# Altium PCB base-32-bit.PcbDoc (part 1 of 3)
Units mil, origin at the board's own origin, x right, y up, seen from the top; angles counter-clockwise.
Board outline 1400 x 1750 mil, 6 copper layers (TOP01, GND02, SIG03, SIG04, PWR05, BOTT06), stack 52.421 mil thick; 71 components, 133 nets, 544 pads, 405 vias.
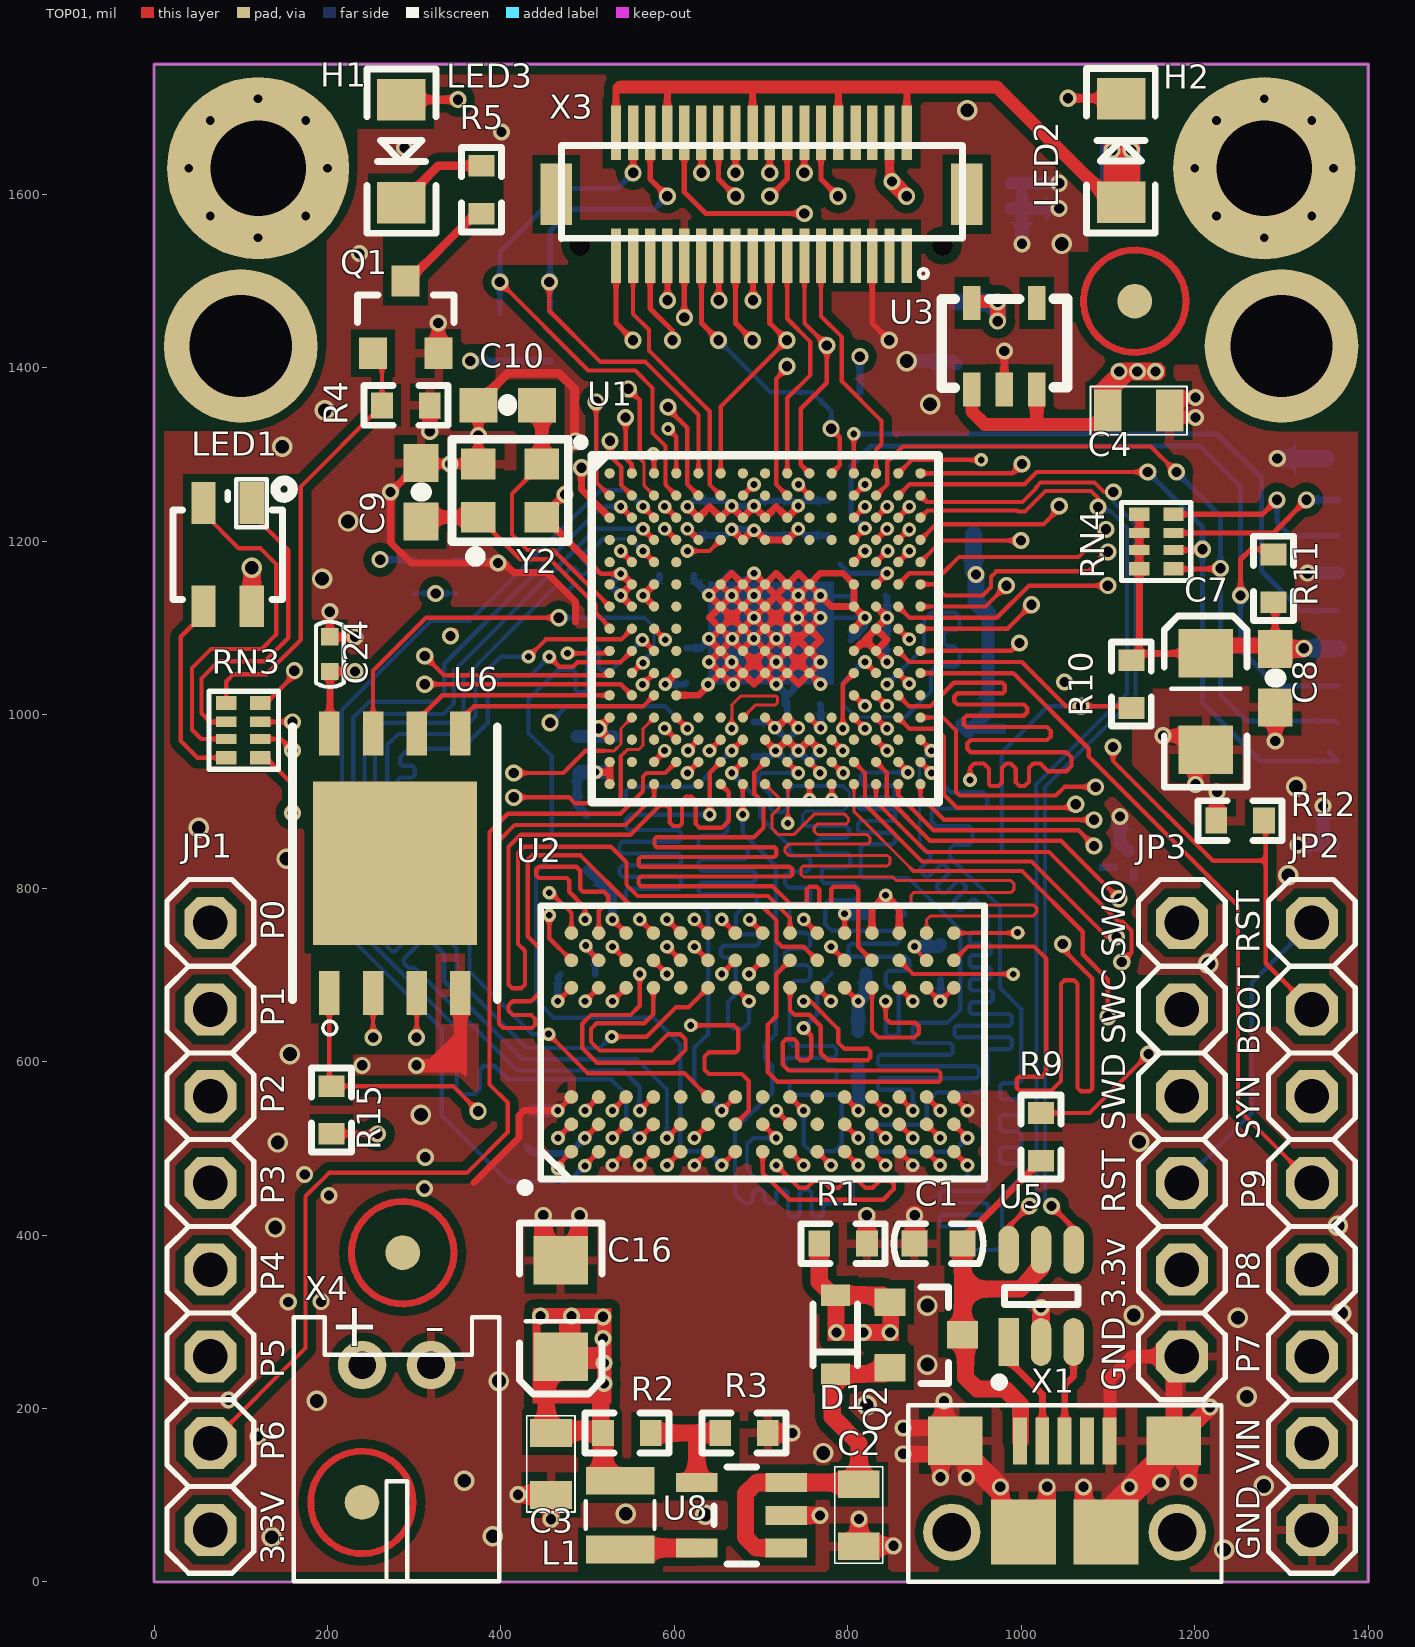
[diagram p0: TOP01 view]
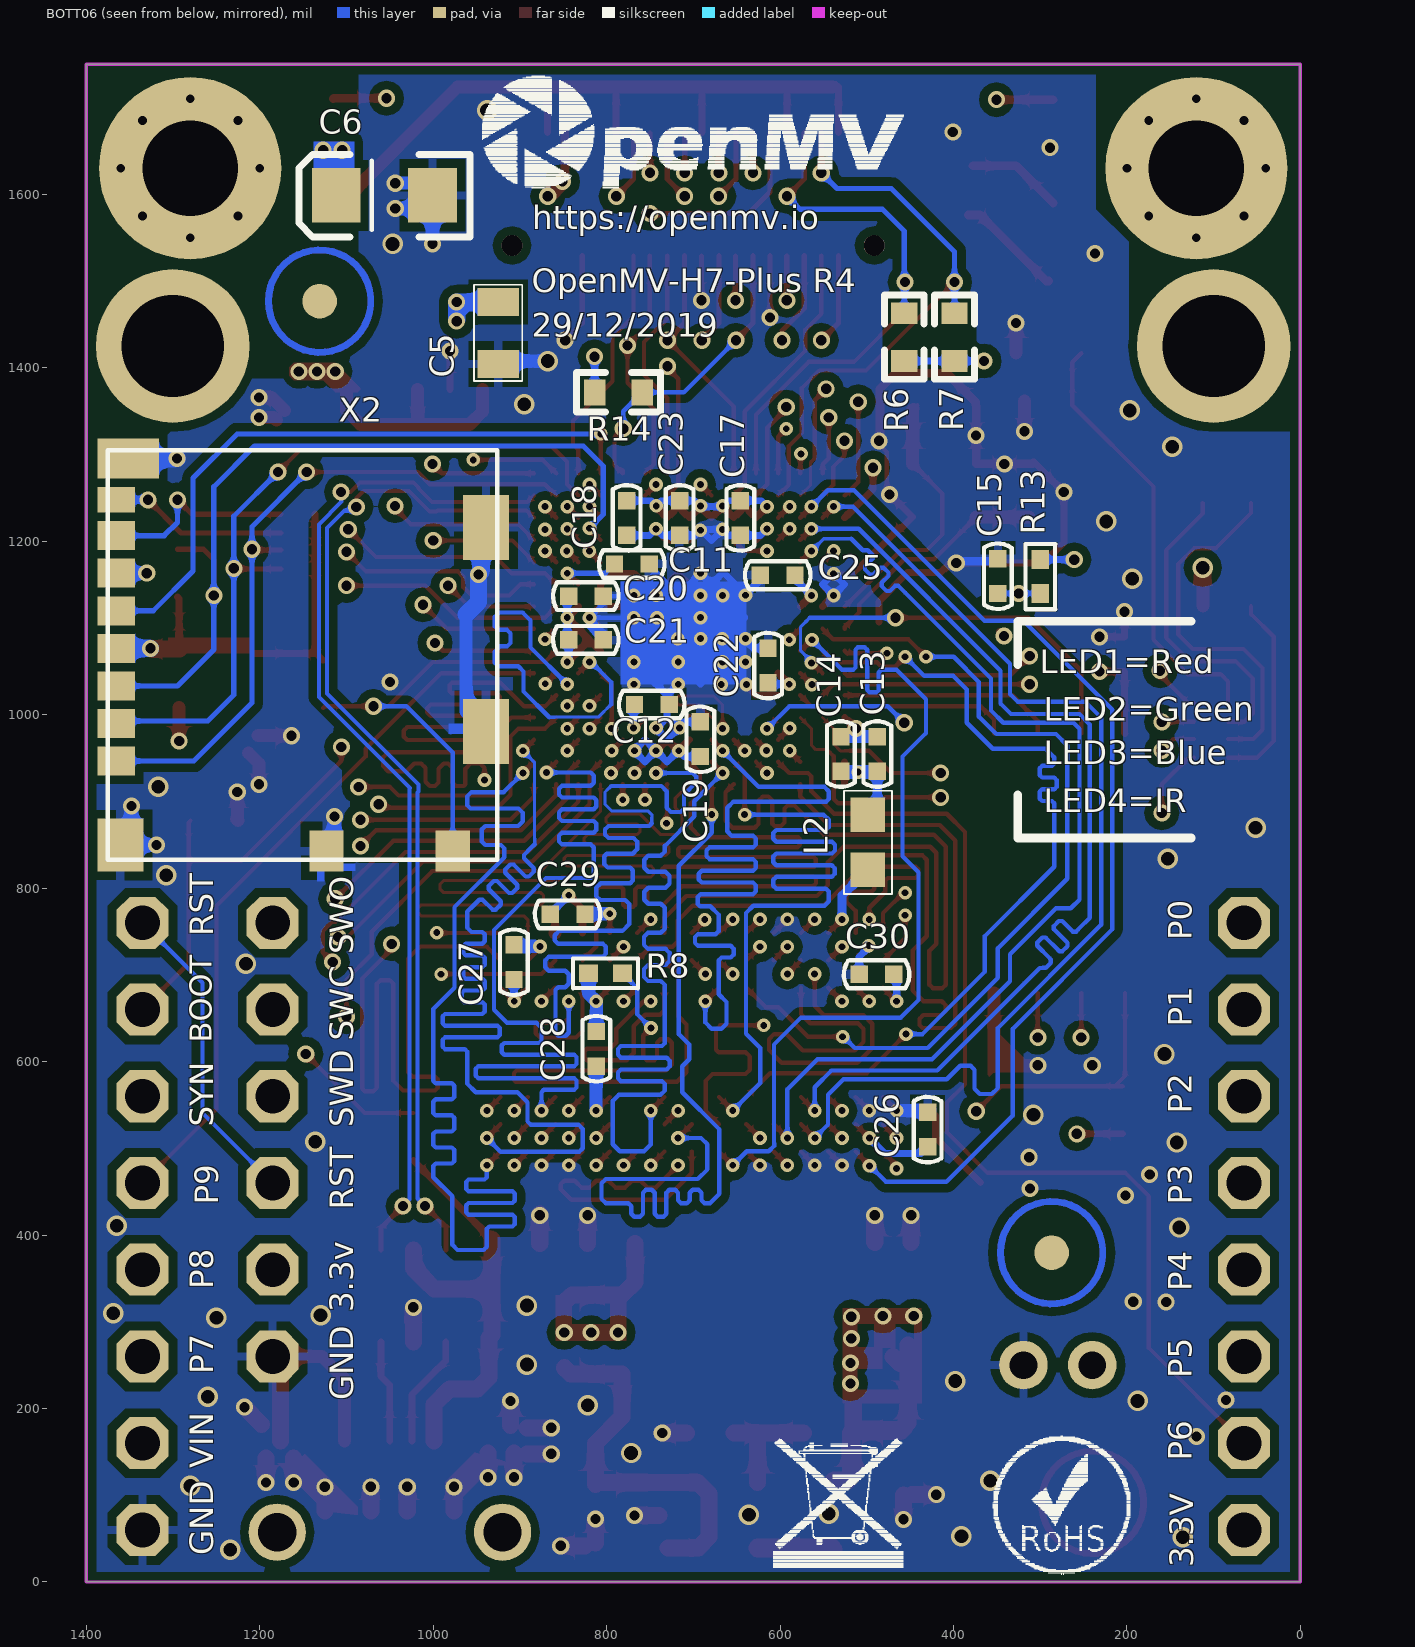
[diagram p1: BOTT06 view, seen from below]
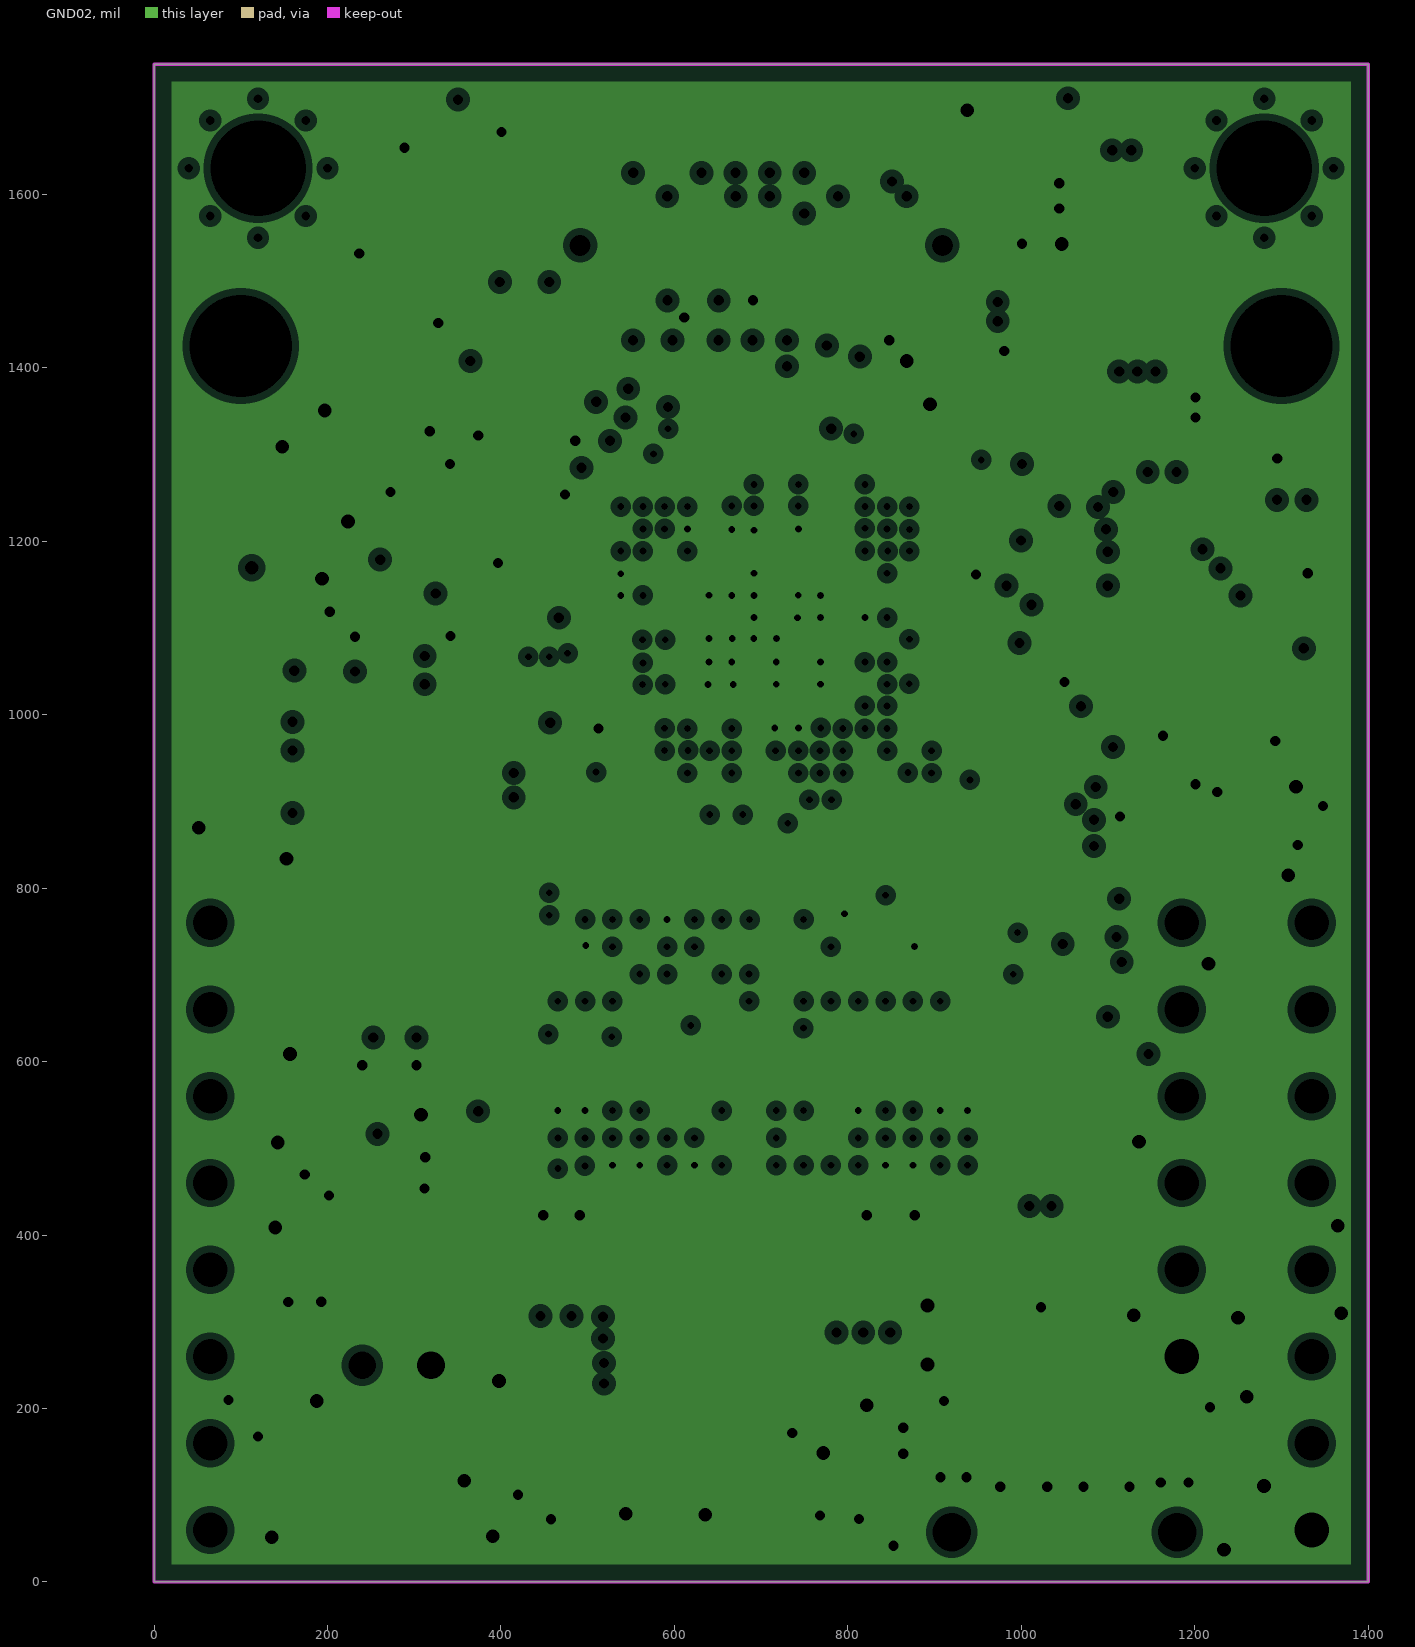
[diagram p2: GND02, clearances drawn from the general rule]
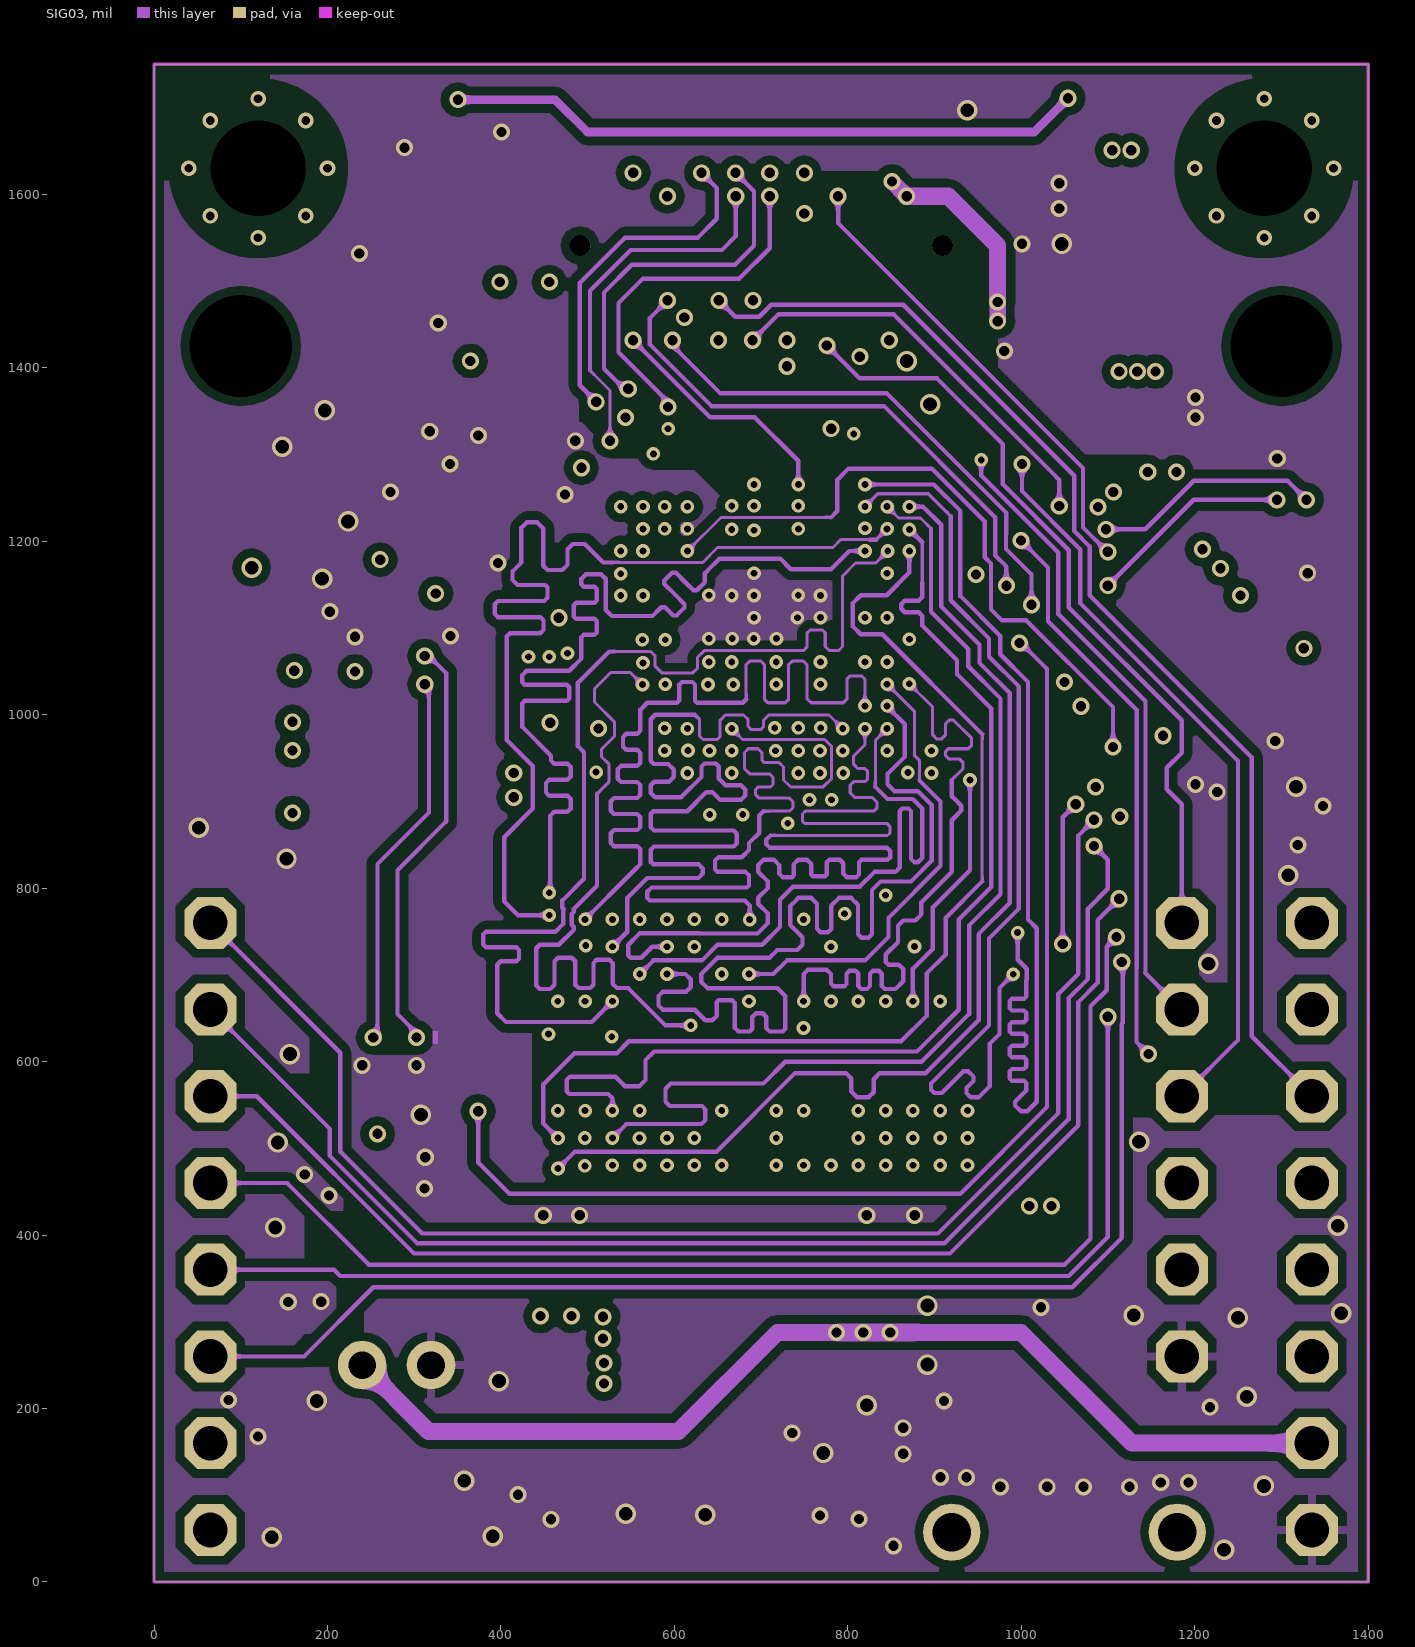
[diagram p3: SIG03]
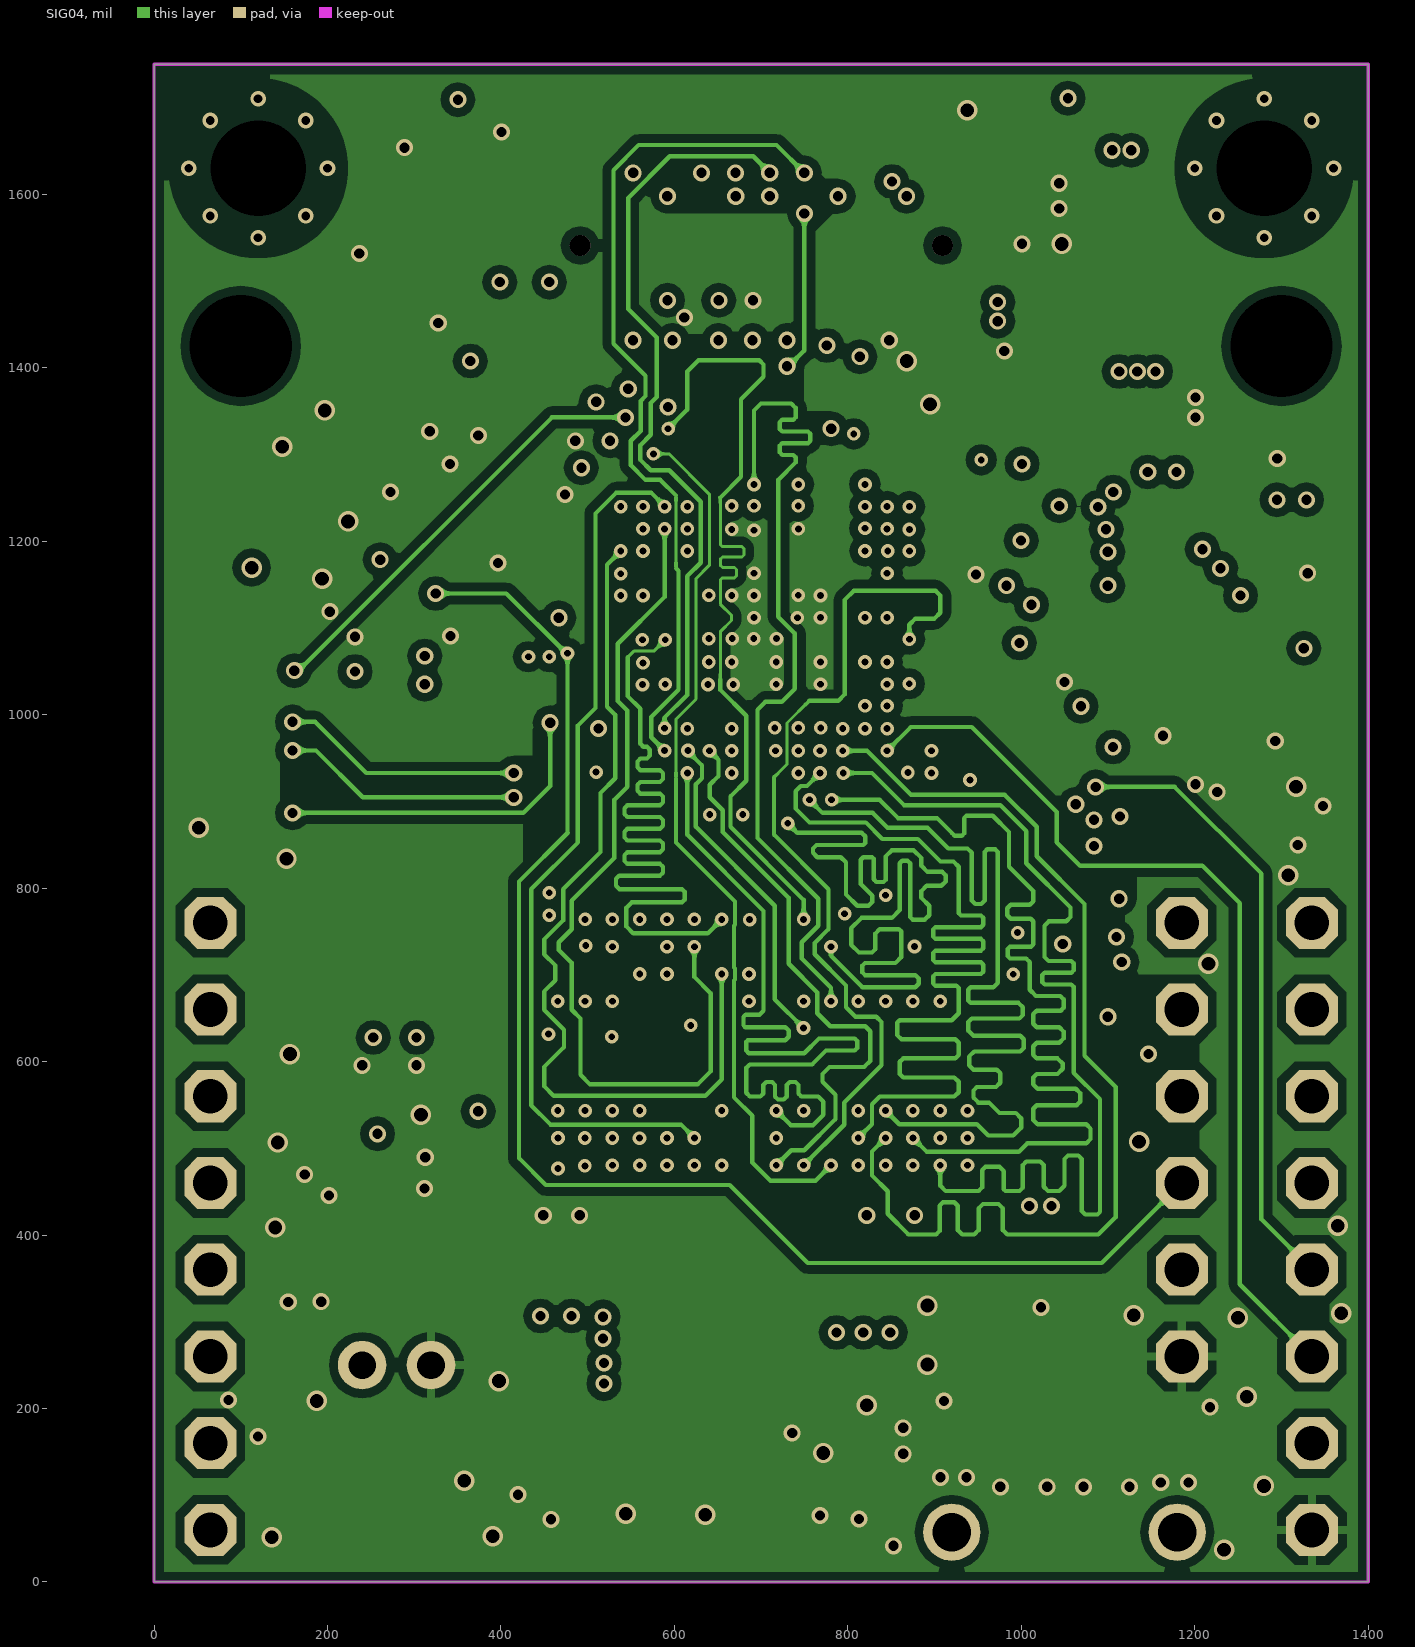
[diagram p4: SIG04]
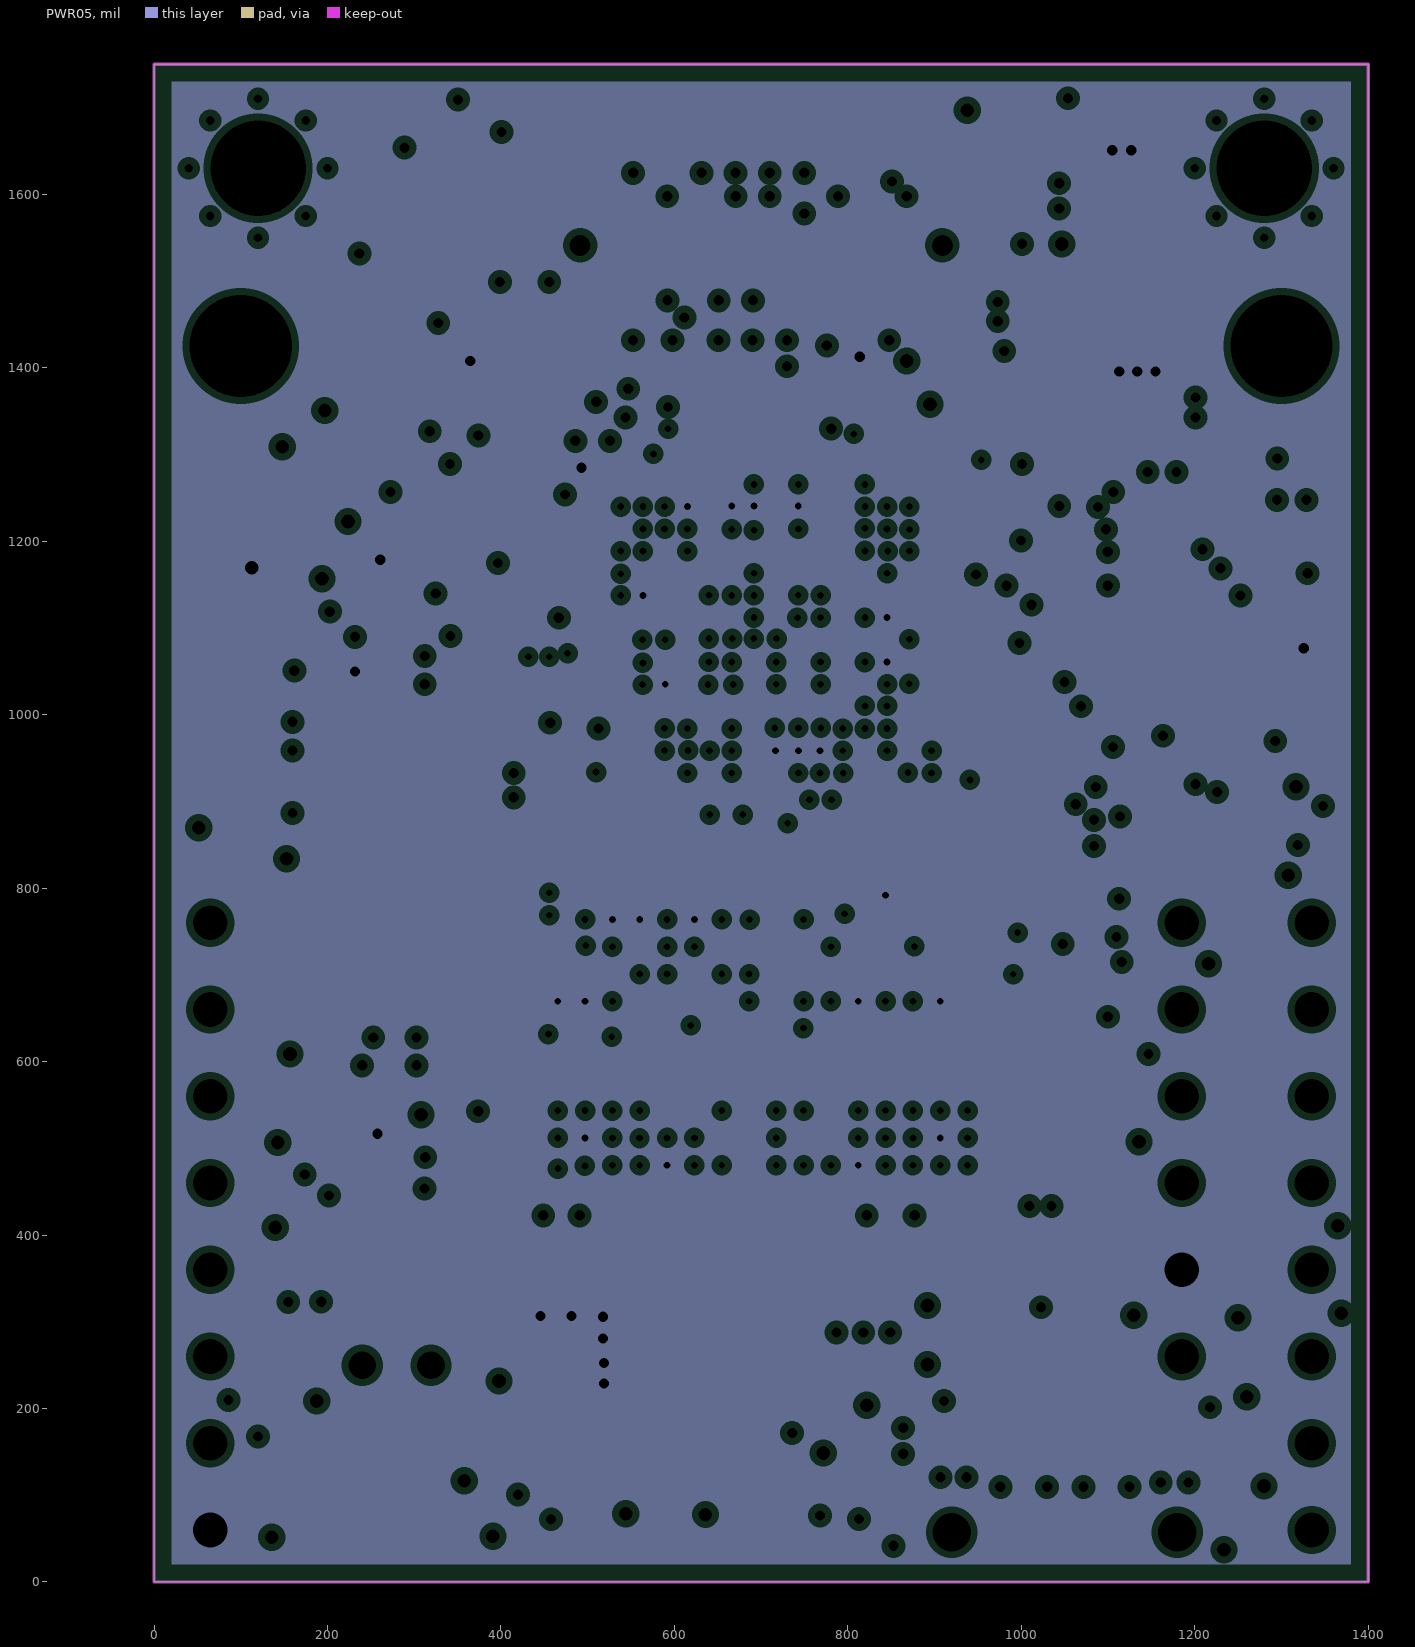
[diagram p5: PWR05, clearances drawn from the general rule]
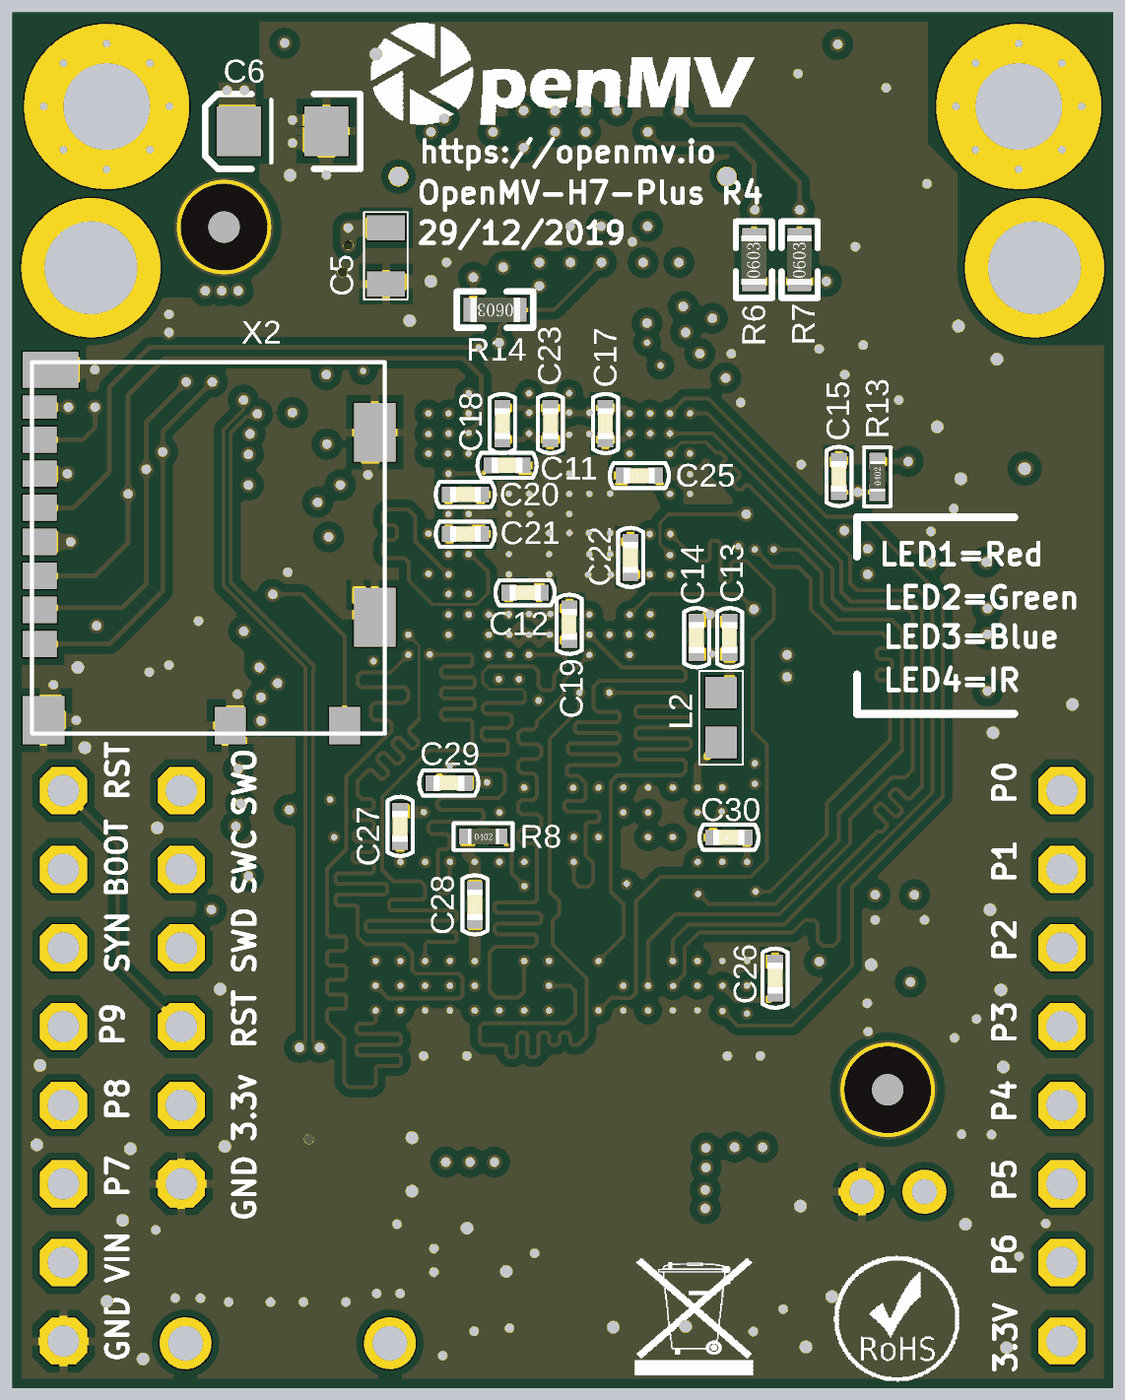
[diagram p8: 3D render of the assembled board from below, using the file's embedded part models]

## Layer stack, top to bottom
Top Solder: solder mask 0.4, Solder Resist, Dk 3.5
TOP01: signal copper 1.378
Dielectric 1: core 3.937, FR-4, Dk 4.05
GND02: plane copper 0.689, net GND
Dielectric 3: prepreg 22.2441, Dk 4.6
SIG03: signal copper 0.689
Dielectric 2: core 5, Dk 4.25
SIG04: signal copper 1.4173
Dielectric 4: core 10, Dk 4.2
PWR05: plane copper 0.689, net VCC
Dielectric 5: prepreg 5, Dk 4.2
BOTT06: signal copper 1.378
Bottom Solder: solder mask 0.4, Solder Resist, Dk 3.5

## Board outline
0,1750 0,0 1400,0 1400,1750

## Design rules (kind name [scope] priority, off if disabled: settings)
BoardOutlineClearance mdCopperDimension [All] p1: gap=10 except(0: Arc-SplitContinuation Track-SplitContinuation SMDPad-SplitContinuation THPad-SplitContinuation Via-SplitContinuation Fill-SplitContinuation Poly-SplitContinuation Region-SplitContinuation Text-SplitContinuation; 5: Poly-OutlineEdge Poly-CutoutEdge Poly-CavityEdge Poly-SplitBarrior)
Clearance [All] p1: gap=3.5 except(9.84: Arc-Poly Track-Poly SMDPad-Poly THPad-Poly Via-Poly Fill-Poly Poly-Poly Poly-Region)
HoleSize [All] p1: absolutevalues=TRUE maxlimit=100000 minlimit=10 maxpercent=80.000 minpercent=20.000
HoleToHoleClearance mdDrill [All] p1: gap=10 allowstackedmicrovias=TRUE
MinimumSolderMaskSliver [All] p1 off: minsoldermaskwidth=10
PasteMaskExpansion Expansion_SMDPaste_OFF [InPadClass('SMDPaste_OFF')] p1: expansion=0
PasteMaskExpansion mlMinCreamFrame [All] p2: expansion=0
PlaneClearance [All] p1: clearance=7.87
PlaneConnect [All] p1: planeconnectstyle=Direct reliefexpansion=20 reliefentries=4 reliefconductorwidth=10 reliefairgap=10
PolygonConnect ThermalVias [IsVia] p1: connectstyle=Direct reliefconductorwidth=10 reliefentries=4 polygonreliefangle="90 Angle" airgapwidth=10
PolygonConnect [All] p2: connectstyle=Relief reliefconductorwidth=10 reliefentries=4 polygonreliefangle="90 Angle" airgapwidth=10
RoutingVias [All] p1: holewidth=7.87 width=15.75 viastyle="Through Hole" minholewidth=7.87 minwidth=15.75 maxholewidth=118.11 maxwidth=196.85
SolderMaskExpansion Expansion_SMDSolder_OFF [InPadClass('SMDSolder_OFF')] p1: expansion=0
SolderMaskExpansion mlMinStopFrame [All] p2: expansion=2
Width [All] p1: maxlimit=10000 minlimit=3.5 preferedwidth=5
24 further rules are at their usual default settings.

## Classes and differential pairs
pad class SMDPaste_OFF: X3-1 X3-2 X3-3 X3-4 X3-5 X3-6 X3-7 X3-8 X3-9 X3-10 X3-11 X3-12 X3-13 X3-14 X3-15 X3-16 X3-17 X3-18 X3-19 X3-20 X3-21 X3-22 X3-23 X3-24 X3-25 X3-26 X3-27 X3-28 X3-29 X3-30 X3-31 X3-32 X3-33 X3-34 X3-35 X3-36
net class SDRAM_ADD&CMD: DRAM_A0 DRAM_A1 DRAM_A2 DRAM_A3 DRAM_A4 DRAM_A5 DRAM_A6 DRAM_A7 DRAM_A8 DRAM_A9 DRAM_A10 DRAM_A11 DRAM_BA0 DRAM_BA1 DRAM_CAS DRAM_CLK DRAM_CLKE DRAM_CS DRAM_DQM0 DRAM_DQM1 DRAM_DQM2 DRAM_DQM3 DRAM_RAS DRAM_WE
net class SDRAM_DATA: DRAM_D0 DRAM_D1 DRAM_D2 DRAM_D3 DRAM_D4 DRAM_D5 DRAM_D6 DRAM_D7 DRAM_D8 DRAM_D9 DRAM_D10 DRAM_D11 DRAM_D12 DRAM_D13 DRAM_D14 DRAM_D15 DRAM_D16 DRAM_D17 DRAM_D18 DRAM_D19 DRAM_D20 DRAM_D21 DRAM_D22 DRAM_D23 DRAM_D24 DRAM_D25 DRAM_D26 DRAM_D27 DRAM_D28 DRAM_D29 DRAM_D30 DRAM_D31
